# KiCad board GORAT circuit diagramv1.3.kicad_pcb
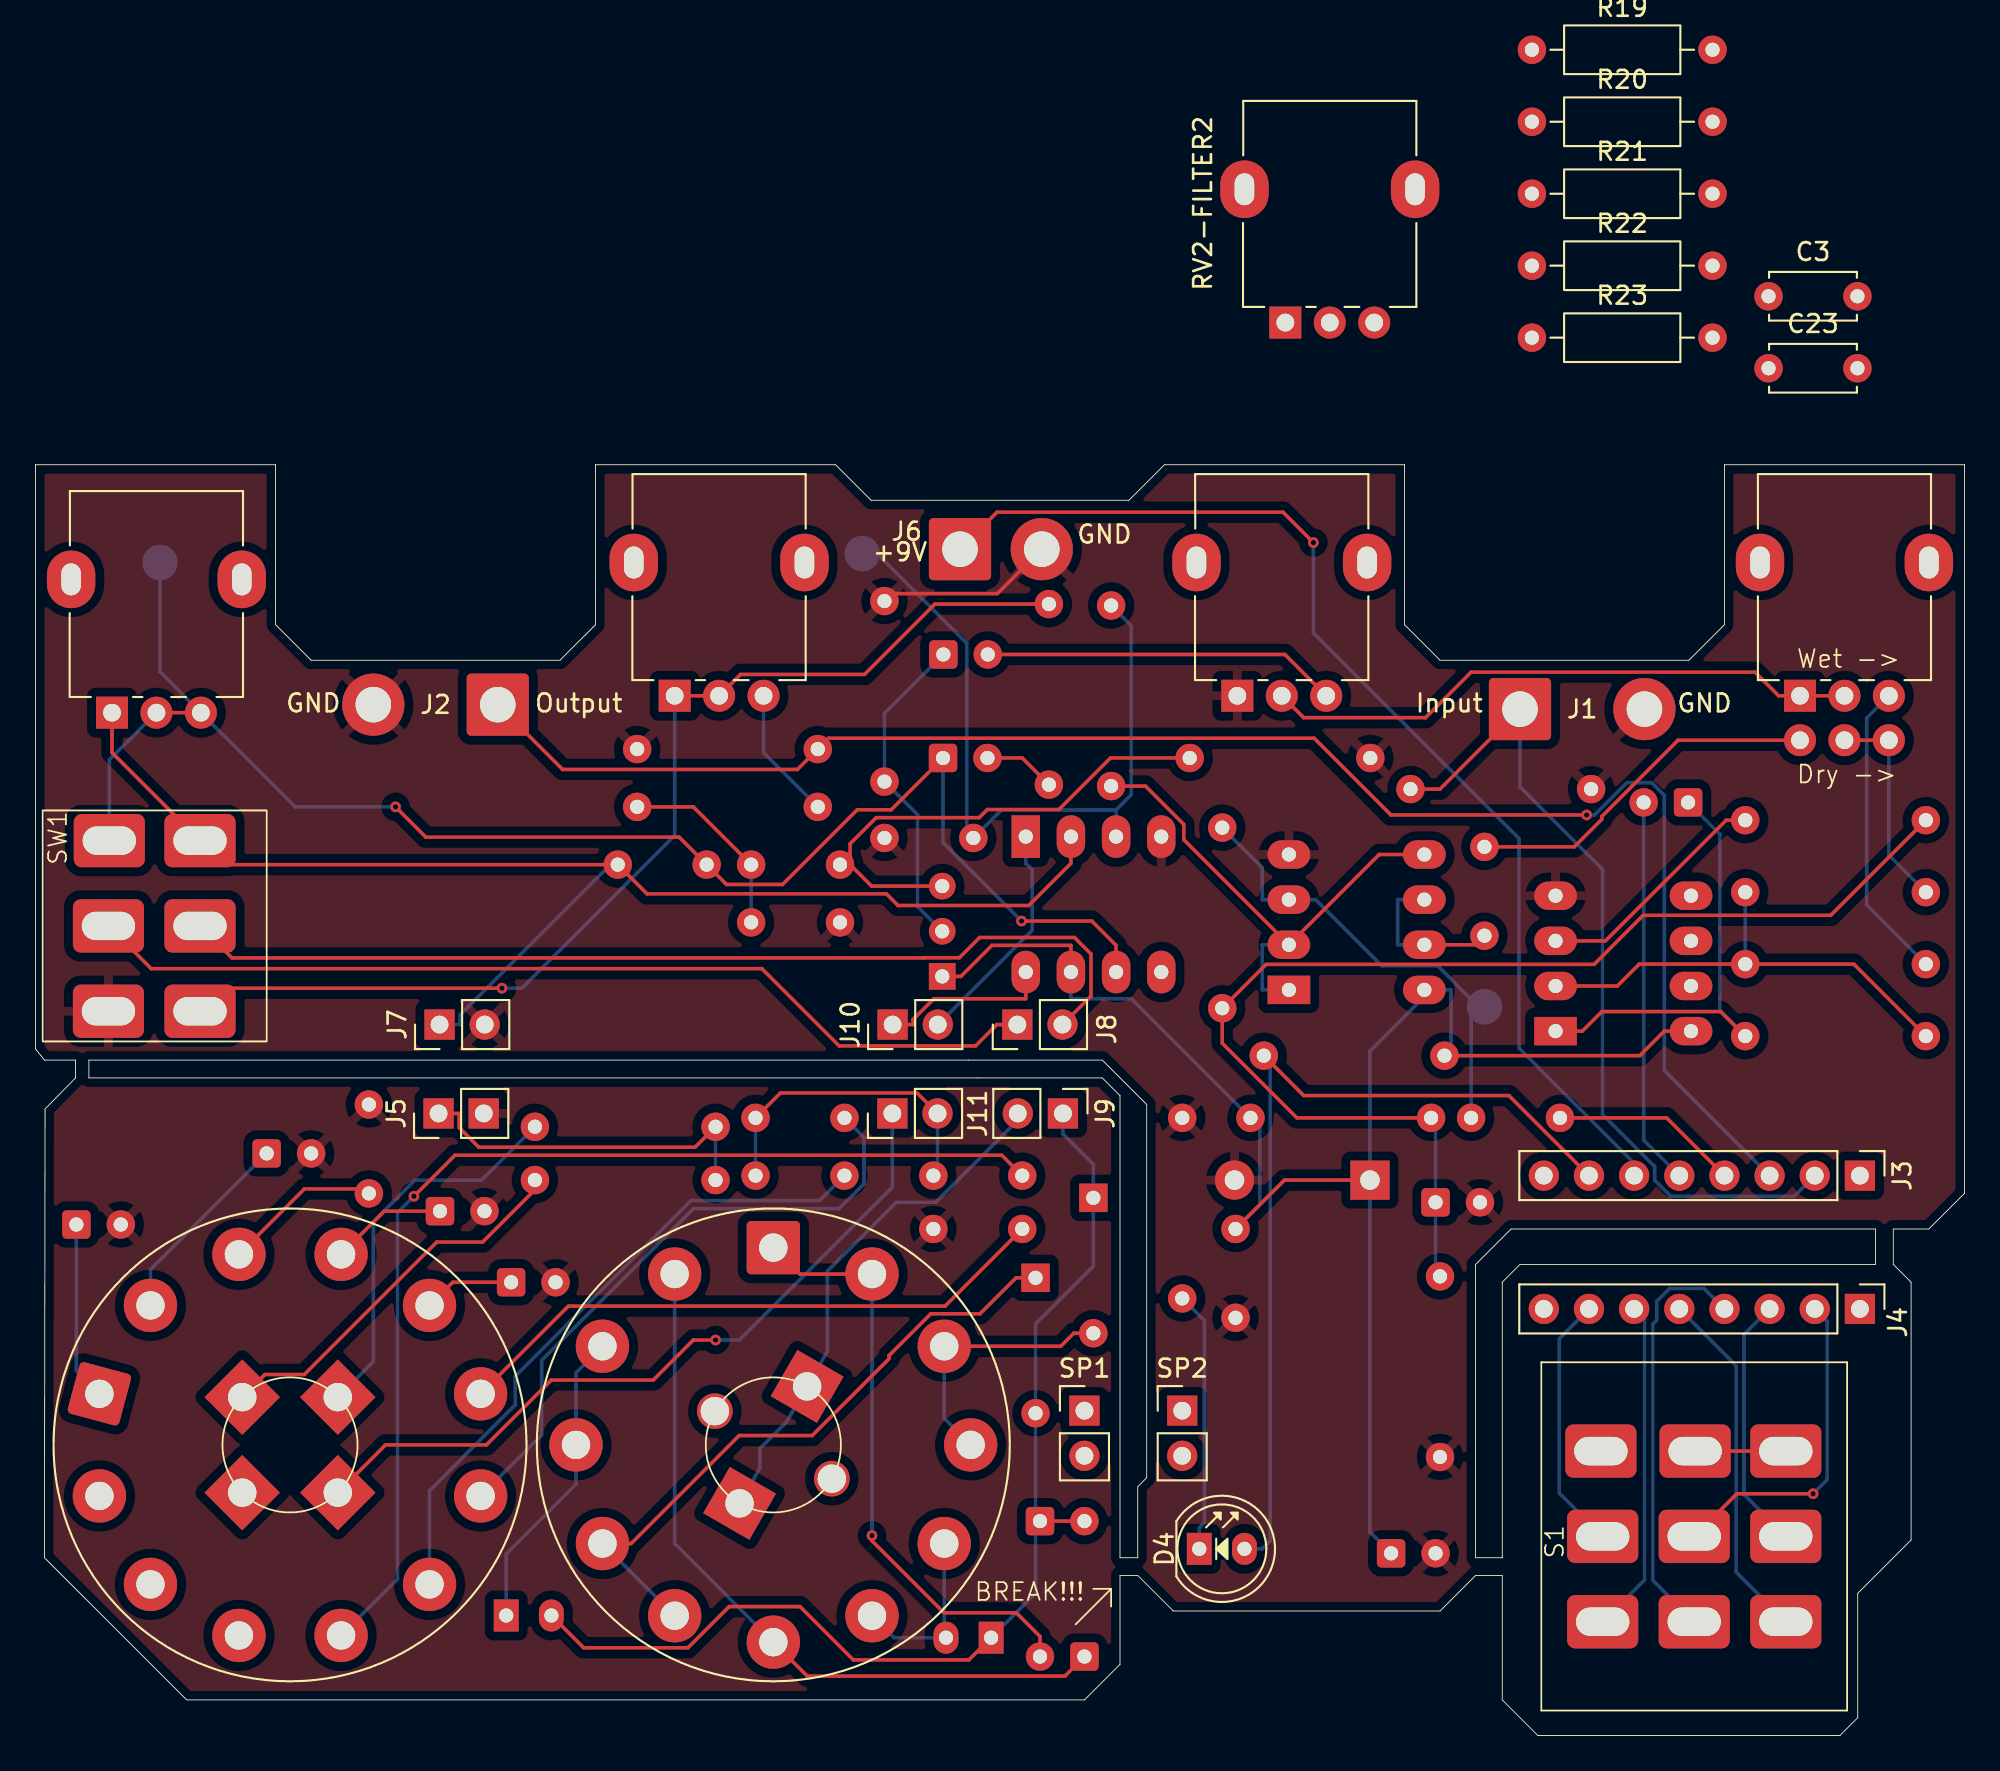
[diagram p0: board, top side]
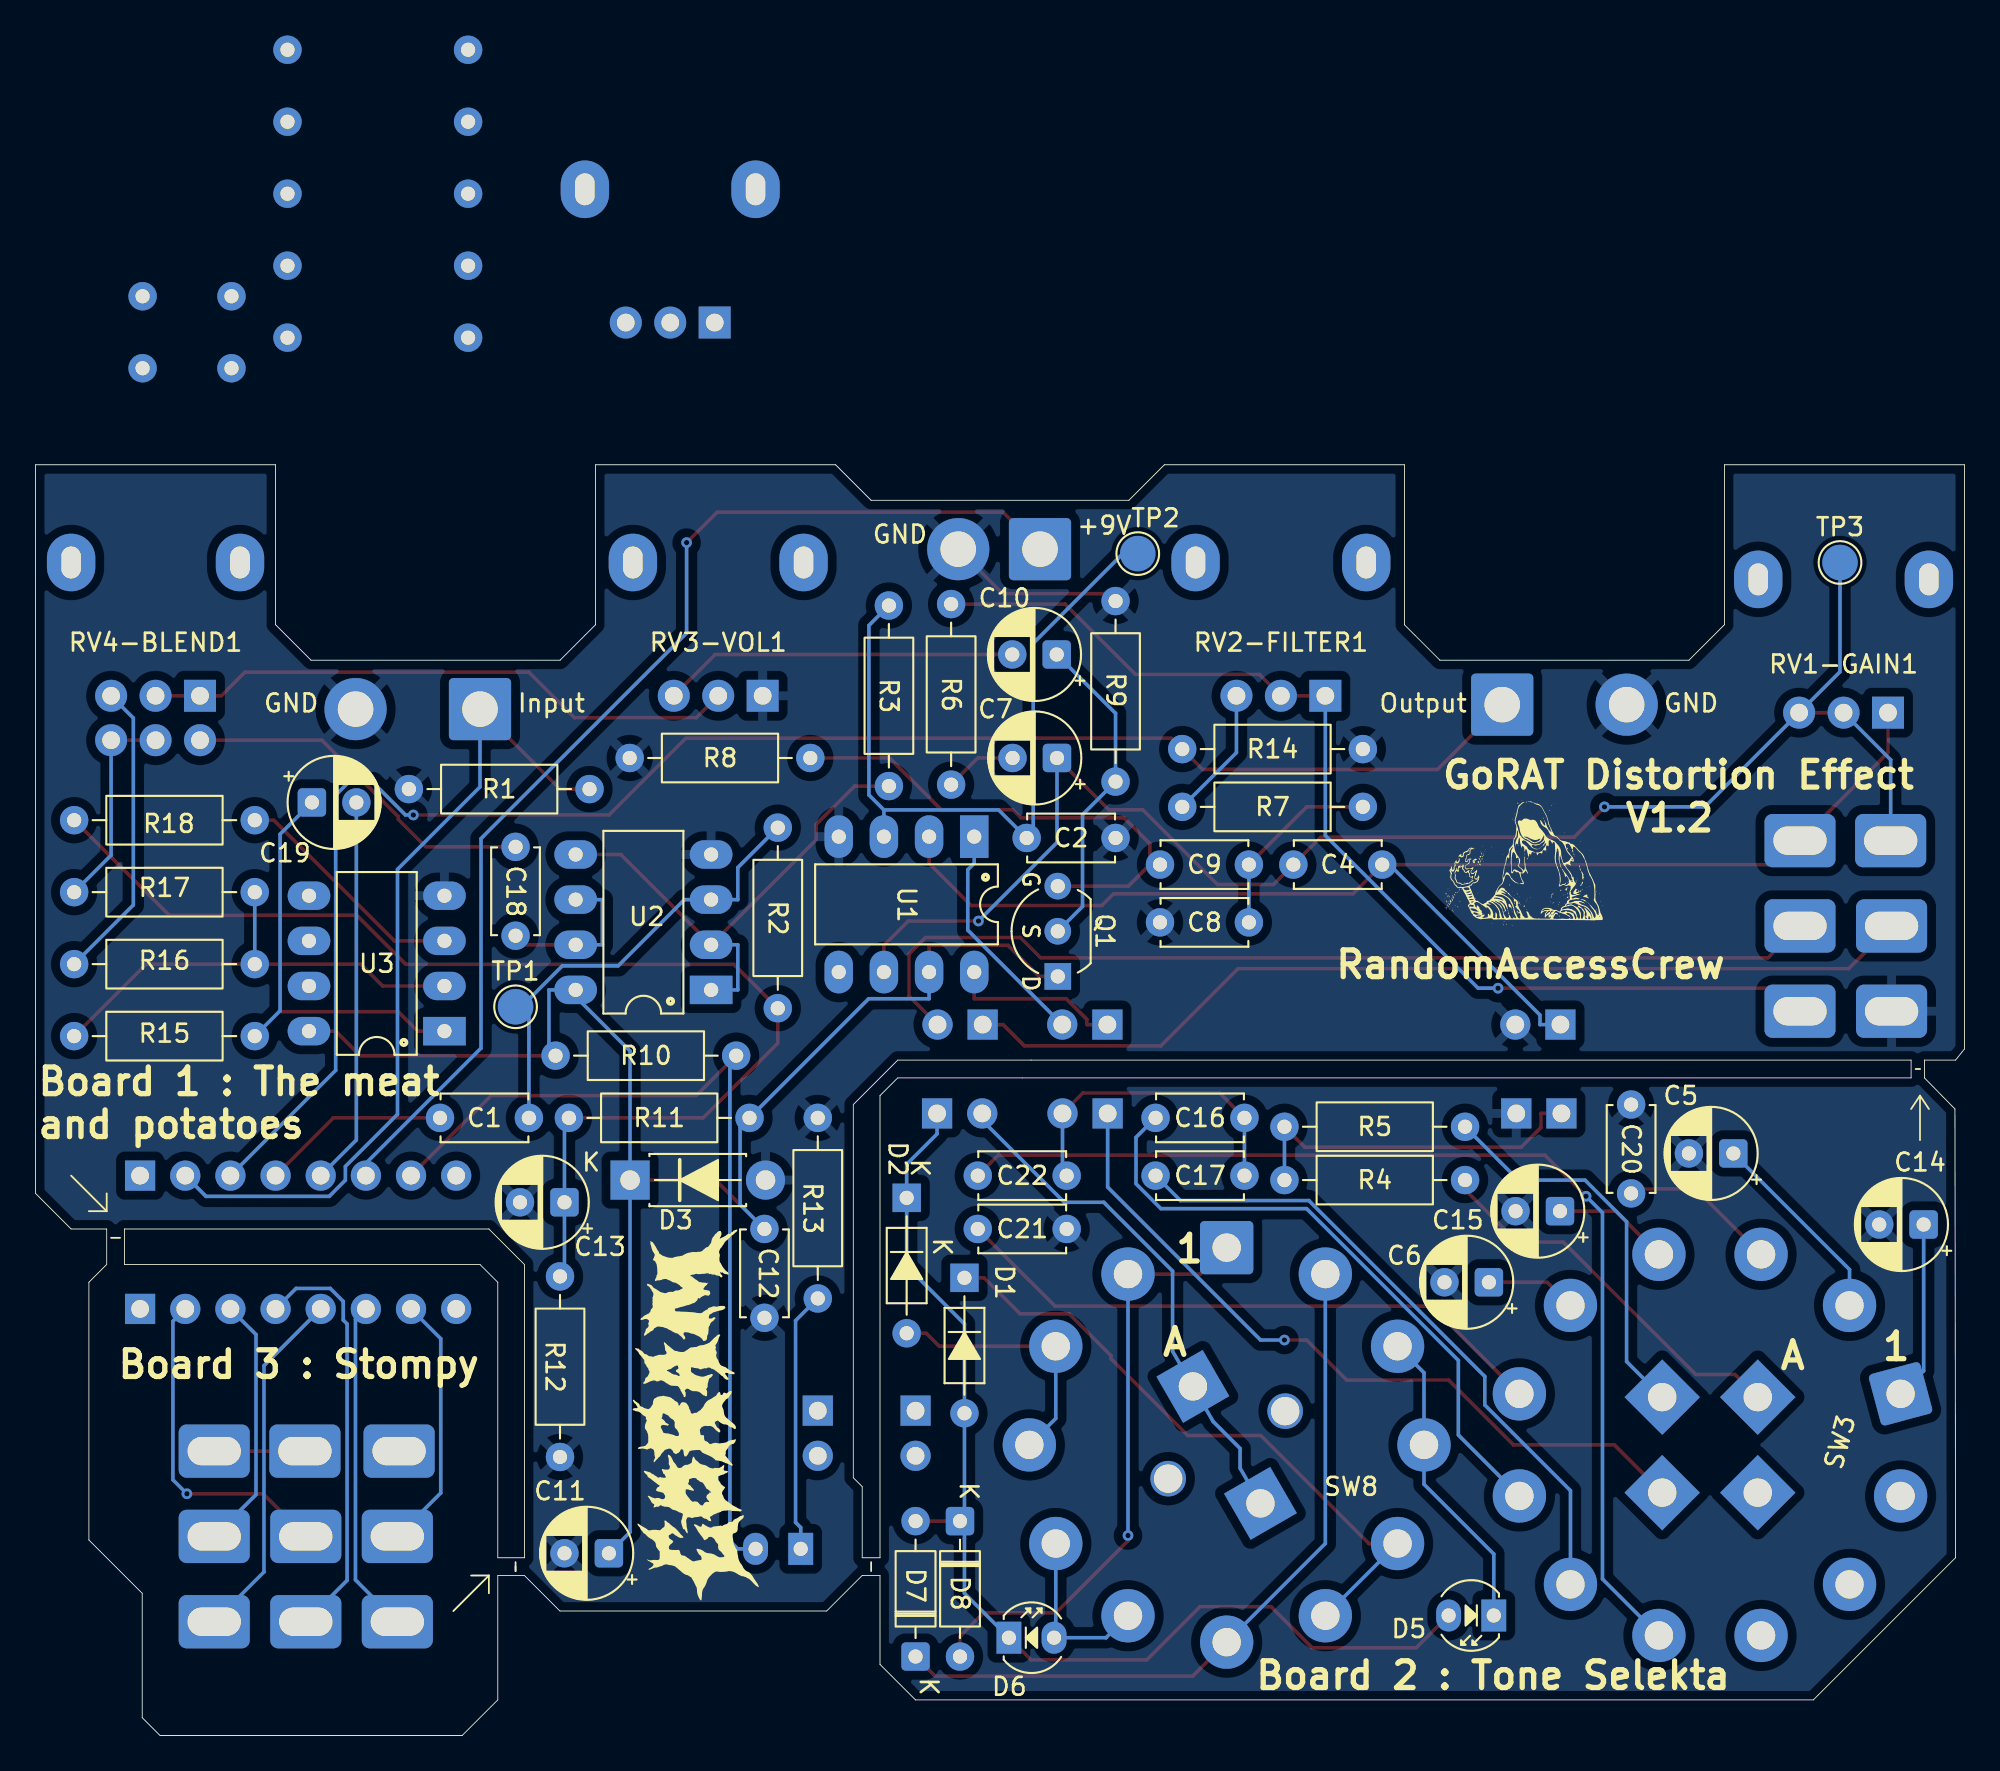
[diagram p1: board, bottom side, seen from below]

Outline 108.5 x 71.5 mm; copper layers: Top, Bottom. Coordinates in mm from the lower left corner of the outline.
Outline path: 0,71.5 0,38.62 0.5,38 2.25,38 2.25,37 0.53,35.25 0.5,10 8.5,2 59,2 61,4 61,9 62,9 64,7 79,7 81,9 82.5,9 82.5,2 84.5,0 101.5,0 102.5,1 102.5,8 105.5,11 105.5,25.5 104.5,26.5 104.5,28.5 106.5,28.5 108.5,30.5 108.5,71.5 95,71.5 95,62.5 93,60.5 79,60.5 77,62.5 77,71.5 63.5,71.5 61.5,69.5 47,69.5 45,71.5 31.5,71.5 31.5,62.5 29.5,60.5 15.5,60.5 13.5,62.5 13.5,71.5 0,71.5 ; 3,38 3,37 60,37 61,36 61,10 62,10 62,14 62.5,14.5 62.5,35.5 60,38 3,38 ; 81,26.5 81,10 82.5,10 82.5,25.5 83.5,26.5 103.5,26.5 103.5,28.5 83,28.5 81,26.5

## Placement (name value [footprint] x y rotation side)
C1  22n  [C_Disc_D4.7mm_W2.5mm_P5.00mm]  85.75 34.75 180 bottom
C2  1n  [C_Disc_D4.7mm_W2.5mm_P5.00mm]  47.75 50.5 0 bottom
C3  22n  [C_Disc_D4.7mm_W2.5mm_P5.00mm]  97.48 80.98 0 top
C4  100p  [C_Disc_D4.7mm_W2.5mm_P5.00mm]  37.75 49 180 bottom
C5  2.2u  [CP_Radial_D5.0mm_P2.50mm]  13 32.75 0 bottom
C6  4.7u  [CP_Radial_D5.0mm_P2.50mm]  26.75 25.5 0 bottom
C7  4.7u  [CP_Radial_D5.0mm_P2.50mm]  51.04 55 0 bottom
C8  3.3n  [C_Disc_D4.7mm_W2.5mm_P5.00mm]  45.25 45.75 180 bottom
C9  22n  [C_Disc_D4.7mm_W2.5mm_P5.00mm]  45.25 49 180 bottom
C10  1u  [CP_Radial_D5.0mm_P2.50mm]  51.06 60.82 0 bottom
C11  100u  [CP_Radial_D5.0mm_P2.50mm]  76.25 10.25 0 bottom
C12  0.1u  [C_Disc_D4.7mm_W2.5mm_P5.00mm]  67.5 23.5 90 bottom
C13  1u  [CP_Radial_D5.0mm_P2.50mm]  78.75 30 0 bottom
C14  10u  [CP_Radial_D5.0mm_P2.50mm]  2.29 28.75 0 bottom
C15  22u  [CP_Radial_D5.0mm_P2.50mm]  22.75 29.5 0 bottom
C16  68p  [C_Disc_D4.7mm_W2.5mm_P5.00mm]  45.5 34.75 180 bottom
C17  47p  [C_Disc_D4.7mm_W2.5mm_P5.00mm]  45.5 31.5 180 bottom
C18  470n  [C_Disc_D4.7mm_W2.5mm_P5.00mm]  81.5 45 90 bottom
C19  1u  [CP_Radial_D5.0mm_P2.50mm]  92.96 52.5 180 bottom
C20  220n  [C_Disc_D4.7mm_W2.5mm_P5.00mm]  18.75 35.5 270 bottom
C21  470n  [C_Disc_D4.7mm_W2.5mm_P5.00mm]  50.5 28.5 0 bottom
C22  33p  [C_Disc_D4.7mm_W2.5mm_P5.00mm]  55.5 31.5 180 bottom
C23  22n  [C_Disc_D4.7mm_W2.5mm_P5.00mm]  97.48 76.93 0 top
D1  1N914  [D_DO-35_SOD27_P7.62mm_Horizontal#2]  56.25 25.75 270 bottom
D2  1N914  [D_DO-35_SOD27_P7.62mm_Horizontal#2]  59.5 30.25 270 bottom
D3  1N4002  [D_DO-41_SOD81_P7.62mm_Horizontal]  75.06 31.25 180 bottom
D4  Red  [LED_D5.0mm]  65.46 10.5 0 top
D5  Red  [LED_D3.0mm]  26.47 6.75 0 bottom
D6  Red  [LED_D3.0mm]  53.75 5.5 180 bottom
D7  BAT41  [D_DO-35_SOD27_P7.62mm_Horizontal]  59 4.44 90 bottom
D8  BAT41  [D_DO-35_SOD27_P7.62mm_Horizontal]  56.5 12.06 270 bottom
J1  AudioJack2  [SolderWire-0.75sqmm_1x02_P7mm_D1.25mm_OD3.5mm]  83.5 57.75 0 top
J2  AudioJack2  [SolderWire-0.75sqmm_1x02_P7mm_D1.25mm_OD3.5mm]  26 58 180 top
J3  Conn_01x08_Socket  [PinHeader_1x08_P2.54mm_Vertical]  102.62 31.5 270 top
J4  Conn_01x08_Socket  [PinHeader_1x08_P2.54mm_Vertical]  102.62 24 270 top
J5  Conn_01x02_Socket  [PinHeader_1x02_P2.54mm_Vertical]  22.67 35 90 top
J6  Barrel_Jack  [SolderWire-0.5sqmm_1x02_P4.6mm_D0.9mm_OD2.1mm]  52 66.75 0 top
J7  Conn_01x02_Socket  [PinHeader_1x02_P2.54mm_Vertical#2]  22.72 40 90 top
J8  Conn_01x02_Socket  [PinHeader_1x02_P2.54mm_Vertical#2]  55.22 40 90 top
J9  Conn_01x02_Socket  [PinHeader_1x02_P2.54mm_Vertical#2]  57.79 35 270 top
J10  Conn_01x02_Socket  [PinHeader_1x02_P2.54mm_Vertical#2]  48.21 40 90 top
J11  Conn_01x02_Socket  [PinHeader_1x02_P2.54mm_Vertical#2]  48.19 35 90 top
Q1  J111  [TO-92_Inline_Wide_DSG]  51 42.71 90 bottom
R1  1M  [R_Axial_DIN0207_L6.3mm_D2.5mm_P10.16mm_Horizontal]  87.5 53.25 180 bottom
R2  1M  [R_Axial_DIN0207_L6.3mm_D2.5mm_P10.16mm_Horizontal]  66.75 51.08 270 bottom
R3  1K  [R_Axial_DIN0207_L6.3mm_D2.5mm_P10.16mm_Horizontal]  60.5 63.58 270 bottom
R4  47  [R_Axial_DIN0207_L6.3mm_D2.5mm_P10.16mm_Horizontal]  38.25 31.25 180 bottom
R5  560  [R_Axial_DIN0207_L6.3mm_D2.5mm_P10.16mm_Horizontal]  38.25 34.25 180 bottom
R6  1K  [R_Axial_DIN0207_L6.3mm_D2.5mm_P10.16mm_Horizontal]  57 63.66 270 bottom
R7  1.5K  [R_Axial_DIN0207_L6.3mm_D2.5mm_P10.16mm_Horizontal]  33.84 52.25 0 bottom
R8  1M  [R_Axial_DIN0207_L6.3mm_D2.5mm_P10.16mm_Horizontal]  64.92 55 0 bottom
R9  10K  [R_Axial_DIN0207_L6.3mm_D2.5mm_P10.16mm_Horizontal]  47.75 53.67 90 bottom
R10  47  [R_Axial_DIN0207_L6.3mm_D2.5mm_P10.16mm_Horizontal]  69.09 38.25 0 bottom
R11  100K  [R_Axial_DIN0207_L6.3mm_D2.5mm_P10.16mm_Horizontal]  78.5 34.75 180 bottom
R12  100K  [R_Axial_DIN0207_L6.3mm_D2.5mm_P10.16mm_Horizontal]  79 15.67 90 bottom
R13  2.2k  [R_Axial_DIN0207_L6.3mm_D2.5mm_P10.16mm_Horizontal]  64.5 24.59 90 bottom
R14  1M  [R_Axial_DIN0207_L6.3mm_D2.5mm_P10.16mm_Horizontal]  33.84 55.5 0 bottom
R15  22k  [R_Axial_DIN0207_L6.3mm_D2.5mm_P10.16mm_Horizontal]  106.33 39.35 180 bottom
R16  22k  [R_Axial_DIN0207_L6.3mm_D2.5mm_P10.16mm_Horizontal]  106.33 43.4 180 bottom
R17  22k  [R_Axial_DIN0207_L6.3mm_D2.5mm_P10.16mm_Horizontal]  106.33 47.45 180 bottom
R18  1M  [R_Axial_DIN0207_L6.3mm_D2.5mm_P10.16mm_Horizontal]  106.33 51.5 180 bottom
R19  1M  [R_Axial_DIN0207_L6.3mm_D2.5mm_P10.16mm_Horizontal]  84.17 94.85 0 top
R20  5.6k  [R_Axial_DIN0207_L6.3mm_D2.5mm_P10.16mm_Horizontal]  84.17 90.8 0 top
R21  27k  [R_Axial_DIN0207_L6.3mm_D2.5mm_P10.16mm_Horizontal]  84.17 86.75 0 top
R22  5.6k  [R_Axial_DIN0207_L6.3mm_D2.5mm_P10.16mm_Horizontal]  84.17 82.7 0 top
R23  1M  [R_Axial_DIN0207_L6.3mm_D2.5mm_P10.16mm_Horizontal]  84.17 78.65 0 top
RV1-GAIN1  100K  [Potentiometer_Alpha_RD901F-40-00D_Single_Vertical]  4.3 57.55 90 top
RV2-FILTER1  100K  [Potentiometer_Alpha_RD901F-40-00D_Single_Vertical]  35.95 58.5 90 top
RV2-FILTER2  100K  [Potentiometer_Alpha_RD901F-40-00D_Single_Vertical]  70.3 79.5 90 top
RV3-VOL1  100K  [Potentiometer_Alpha_RD901F-40-00D_Single_Vertical]  67.6 58.5 90 top
RV4-BLEND1  100K  [Potentiometer_Alpha_RD902F-40-00D_Dual_Vertical]  99.25 58.5 90 top
S1  SWITCH-3PDT  [3PDT_fixed]  93.3 11.2 90 top
SP1  Conn_01x02_Socket  [PinHeader_1x02_P2.54mm_Vertical#2]  59 18.28 0 top
SP2  Conn_01x02_Socket  [PinHeader_1x02_P2.54mm_Vertical#2]  64.5 18.28 0 top
SW1  SW_DPDT_x2  [DPDT_fixed]  6.7 45.55 90 top
SW3  SW_Rotary4x3  [RS26]  14.31 16.35 75 top
SW8  SW_Rotary2x6  [RS26#2]  41.5 16.35 0 top
TP1  Input  [TestPoint_Pad_D2.0mm]  81.5 41 180 bottom
TP2  Pre-gain  [TestPoint_Pad_D2.0mm]  46.5 66.5 180 bottom
TP3  Post-gain  [TestPoint_Pad_D2.0mm]  7 66 180 bottom
U1  OP07CP  [DIP-8_W7.62mm_LongPads]  55.7 50.58 270 bottom
U2  TL072ACP  [DIP-8_W7.62mm_LongPads]  70.5 41.95 0 bottom
U3  TL072ACP  [DIP-8_W7.62mm_LongPads]  85.5 39.63 0 bottom

## Library data of the parts
C1-C4 C8 C9 C12 C16-C18 C20-C23 = -: Description: Unpolarized capacitor; ki_fp_filters: C_*
C5-C7 C10 C11 C13-C15 C19 = -: Description: Polarized capacitor; ki_fp_filters: CP_*
D1 = -: Datasheet: https://datasheet.octopart.com/1N914ATR-ON-Semiconductor-datasheet-42765246.pdf; Description: DO-35 Diode, Small Signal, Fast Switching, 75V, 200mA, 4ns, Alternate KiCad Library; Sim.Device: D; Sim.Pins: 1=K 2=A; Sim.Library: C:\Users\nh22239\Downloads\1N914.lib; ki_fp_filters: TO-???* *_Diode_* *SingleDiode* D_*
D2 = -: Datasheet: https://datasheet.octopart.com/1N914ATR-ON-Semiconductor-datasheet-42765246.pdf; Description: DO-35 Diode, Small Signal, Fast Switching, 75V, 200mA, 4ns, Alternate KiCad Library; Sim.Library: C:\Users\nh22239\Downloads\1N914.lib; Sim.Device: D; Sim.Pins: 1=A 2=K; ki_fp_filters: TO-???* *_Diode_* *SingleDiode* D_*
D3 = -: Datasheet: https://www.tme.eu/Document/5f8ffc5ac30fc86bac97d66040bf5502/1n400x.pdf; Description: DO-41 Diode, Rectifier, 100V, 1A, Alternate KiCad Library; Sim.Library: C:\Users\nh22239\Downloads\1N4002.lib; Sim.Device: D; Sim.Pins: 1=A 2=K; ki_fp_filters: TO-???* *_Diode_* *SingleDiode* D_*
D4-D6 = -: Datasheet: https://cdn.sparkfun.com/assets/e/c/e/c/5/COM-09590-YSL-R531R3D-D2.pdf; Description: Light emitting diode PTH 5mm diameter; PROD_ID: DIO-09529; ki_fp_filters: LED* LED_SMD:* LED_THT:*
D7 D8 = -: Datasheet: http://www.vishay.com/docs/85659/bat41.pdf; Description: 100V 0.1A Small Signal Schottky Diode, DO-35; ki_fp_filters: D*DO?35*
J1 J2 = -: Description: Audio Jack, 2 Poles (Mono / TS); ki_fp_filters: Jack*
J3 J4 = -: Description: Generic connector, single row, 01x08, script generated; ki_fp_filters: Connector*:*_1x??_*
J5 J7-J11 SP1 SP2 = -: Description: Generic connector, single row, 01x02, script generated; ki_fp_filters: Connector*:*_1x??_*
J6 = -: Description: DC Barrel Jack; ki_fp_filters: BarrelJack*
Q1 = -: Datasheet: https://www.tme.eu/Document/2ab8d7a6d6d8a209f9d7deeb52763e9f/J111.pdf; Description: TO-92 N-JFET transistor, 35V, 20mA, 625mW, Alternate KiCAD Library
R1-R23 = -: Description: Resistor; ki_fp_filters: R_*
RV1-GAIN1 RV2-FILTER1 RV2-FILTER2 RV3-VOL1 = -: Description: Potentiometer; ki_fp_filters: Potentiometer*
RV4-BLEND1 = -: Description: Dual potentiometer, separate units; ki_fp_filters: Potentiometer*
S1 = -: ki_fp_filters: *STOMP-SWITCH-3PDT*
SW1 = -: Description: Switch, dual pole double throw, separate symbols; ki_fp_filters: SW*DPDT*
SW3 = -: Datasheet: http://cdn-reichelt.de/documents/datenblatt/C200/DS-Serie%23LOR.pdf; Description: 4 rotary switches with 3 positions
SW8 = -: Datasheet: http://cdn-reichelt.de/documents/datenblatt/C200/DS-Serie%23LOR.pdf; Description: 2 rotary switch with 6 positions
TP1-TP3 = -: Description: test point; ki_fp_filters: Pin* Test*
U1 = -: Datasheet: http://web.mit.edu/6.301/www/LM108.pdf; Description: DIP-8 Superbeta Operational Amplifier, 7nA Input Bias Current, 7.5mV Offset, 30μV/°C Drift, Alternate KiCAD Library; Sim.Device: SUBCKT; Sim.Library: C:\Users\nh22239\Downloads\lm3082.lib; Sim.Name: LM308_SYMBOL; Sim.Pins: 1=6 2=2 3=1 4=4 6=5 7=3 8=7 8=8
U2 U3 = -: Datasheet: https://www.ti.com/lit/ds/symlink/tl072h.pdf?ts=1635057479364; Description: DIP-8 Dual JFET Low Noise Operational Amplifier, 6mV Offset, 8nV/√Hz Noise, 1MHz GBW, Alternate KiCAD Library

## Footprints (pads in the part's own frame, mm; a bottom-side part is the same pattern mirrored in y, then rotated)
3PDT_fixed
  rrect 3x4 hole 1.6x3: P$1(-4.8,-5.15) P$2(0,-5.15) P$3(4.8,-5.15) P$4(-4.8,0) P$5(0,0) P$6(4.8,-0.05) P$7(-4.8,5.15) P$8(0,5.15) P$9(4.8,5.25)
C_Disc_D4.7mm_W2.5mm_P5.00mm
  round 1.6 hole 0.8: 1(0,0) 2(5,0)
CP_Radial_D5.0mm_P2.50mm
  rrect 1.6x1.6 hole 0.8: 1(0,0)
  round 1.6 hole 0.8: 2(2.5,0)
D_DO-35_SOD27_P7.62mm_Horizontal
  rrect 1.6x1.6 hole 0.8: 1(0,0)
  round 1.6 hole 0.8: 2(7.62,0)
D_DO-35_SOD27_P7.62mm_Horizontal#2
  rect 1.6x1.6 hole 0.8: 1(0,0)
  oval 1.6x1.6 hole 0.8: 2(7.62,0)
D_DO-41_SOD81_P7.62mm_Horizontal
  rect 2.2x2.2 hole 1.1: 1(0,0)
  oval 2.2x2.2 hole 1.1: 2(7.62,0)
DIP-8_W7.62mm_LongPads
  rect 2.4x1.6 hole 0.8: 1(0,0)
  oval 2.4x1.6 hole 0.8: 2(0,-2.54) 3(0,-5.08) 4(0,-7.62) 5(7.62,-7.62) 6(7.62,-5.08) 7(7.62,-2.54) 8(7.62,0)
DPDT_fixed
  rrect 3x4 hole 1.6x3: 1(-4.8,-2.55) 2(0,-2.55) 3(4.8,-2.55) 4(-4.8,2.6) 5(0,2.6) 6(4.8,2.55)
LED_D3.0mm
  rect 1.4x1.8 hole 0.8: 1(0,0)
  oval 1.4x1.8 hole 0.8: 2(2.54,0)
LED_D5.0mm
  rect 1.4x1.8 hole 0.8: 1(0,0)
  oval 1.4x1.8 hole 0.8: 2(2.54,0)
PinHeader_1x02_P2.54mm_Vertical
  rect 1.7x1.7 hole 1: 1(0,0) 2(0,-2.54)
PinHeader_1x02_P2.54mm_Vertical#2
  rect 1.7x1.7 hole 1: 1(0,0)
  round 1.7 hole 1: 2(0,-2.54)
PinHeader_1x08_P2.54mm_Vertical
  rect 1.7x1.7 hole 1: 1(0,0)
  round 1.7 hole 1: 2(0,-2.54) 3(0,-5.08) 4(0,-7.62) 5(0,-10.16) 6(0,-12.7) 7(0,-15.24) 8(0,-17.78)
Potentiometer_Alpha_RD901F-40-00D_Single_Vertical
  oval 3.24x2.72 hole 1.8x1.1: (7.5,2.3) (7.5,-7.3)
  rect 1.8x1.8 hole 1: 1(0,0)
  round 1.8 hole 1: 2(0,-2.5) 3(0,-5)
Potentiometer_Alpha_RD902F-40-00D_Dual_Vertical
  oval 3.24x2.72 hole 1.8x1.1: (7.5,2.25) (7.5,-7.25)
  rect 1.8x1.8 hole 1: 1(0,0)
  round 1.8 hole 1: 2(0,-2.5) 3(0,-5) 4(-2.5,0) 5(-2.5,-2.5) 6(-2.5,-5)
R_Axial_DIN0207_L6.3mm_D2.5mm_P10.16mm_Horizontal
  round 1.6 hole 0.8: 1(0,0) 2(10.16,0)
RS26
  rrect 3x3 hole 1.6: 1(0,11.1)
  round 3 hole 1.6: 2(5.55,9.613) 3(9.613,5.55) 4(11.1,0) 5(9.613,-5.55) 6(5.55,-9.613) 7(0,-11.1) 8(-5.55,-9.613) 9(-9.613,-5.55) 10(-11.1,0) 11(-9.613,5.55) 12(-5.55,9.613)
  rect 3x3 hole 1.6 rot 150: A(1.9,3.291) B(3.291,-1.9) C(-1.9,-3.291) D(-3.291,1.9)
RS26#2
  rrect 3x3 hole 1.6: 1(0,11.1)
  round 3 hole 1.6: 2(5.55,9.613) 3(9.613,5.55) 4(11.1,0) 5(9.613,-5.55) 6(5.55,-9.613) 7(0,-11.1) 8(-5.55,-9.613) 9(-9.613,-5.55) 10(-11.1,0) 11(-9.613,5.55) 12(-5.55,9.613)
  rect 3x3 hole 1.6 rot 150: A(1.9,3.291) C(-1.9,-3.291)
  oval 2x2 hole 1.6 rot 150: B(3.291,-1.9) D(-3.291,1.9)
SolderWire-0.5sqmm_1x02_P4.6mm_D0.9mm_OD2.1mm
  rrect 3.5x3.5 hole 2: 1(0,0)
  round 3.5 hole 2: 2(4.6,0)
SolderWire-0.75sqmm_1x02_P7mm_D1.25mm_OD3.5mm
  rrect 3.5x3.5 hole 2: 1(0,0)
  round 3.5 hole 2: 2(7,0)
TestPoint_Pad_D2.0mm
  round 2 smd: 1(0,0)
TO-92_Inline_Wide_DSG
  rect 1.5x1.5 hole 0.8: 1(0,0)
  round 1.5 hole 0.8: 2(2.54,0) 3(5.08,0)

## Nets
+4.5V: C13.1 R2.2 R11.1 R12.2 R18.1 R19.1 R23.2
+9V: C11.1 C12.2 D3.1 Q1.1 R10.2 R11.2 U1.7 U2.8 U3.8
/+9v Jack1: J3.6 J6.1
/+9v Jack2: J4.6 S1.P$7
GND: C2.1 C8.1 C11.2 C12.1 C13.2 D3.2 J1.2 J2.2 J6.2 J7.2 R1.1 R8.2 R9.2 R12.1 R13.2 R14.1 RV3-VOL1.1 SW1.4 U1.4 U2.4 U3.4
GND1: J3.8
GND2: J4.8
GND3: C5.2 C6.2 C14.2 C15.2 C20.1 C21.1 J5.2
Vin1: D4.2 J3.7 R10.1
Vin2: J4.7 S1.P$8
/Bypass: S1.P$3 S1.P$6
/JackIn1: J1.1 J3.2 R1.2
/JackIn2: J4.2 S1.P$5
/JackOut1: J2.1 J3.3 R14.2
/JackOut2: J4.3 S1.P$2
/Off: S1.P$9
Bypass1: J3.1
Bypass2: J4.1
SigIn1: C1.1 J3.4
SigIn2: J4.4 S1.P$4
SigOut1: C19.2 J3.5
SigOut2: J4.5 S1.P$1
SigRAT: RV3-VOL1.2 RV4-BLEND1.1 RV4-BLEND1.2
Net-(C3-Pad2): C3.2 R22.2 RV2-FILTER2.1
Net-(C5-Pad1): C5.1 SW3.2
Net-(C6-Pad1): C6.1 SW3.5
Net-(C7-Pad2): C7.2 R6.2
Net-(C8-Pad2): C8.2 C9.2 R7.1
Net-(C10-Pad2): C10.2 RV3-VOL1.3
Net-(C14-Pad1): C14.1 SW3.1
Net-(C15-Pad1): C15.1 SW3.4
Net-(C16-Pad1): C16.1 SW3.7
Net-(C17-Pad1): C17.1 SW3.8
Net-(C18-Pad2): C18.2 RV4-BLEND1.4
Net-(C19-Pad1): C19.1 R15.2 U3.1
Net-(C20-Pad2): C20.2 SW3.3
Net-(C21-Pad2): C21.2 SW3.6
Net-(C22-Pad1): C22.1 SW3.9
Net-(C23-Pad1): C3.1 C23.1 R21.2 RV2-FILTER2.2
Net-(C23-Pad2): C23.2 R20.1 RV2-FILTER2.3
Net-(D1-A): D1.2 D2.1 D5.2 D6.1 D7.2 D8.1 J9.1
Net-(D1-K): D1.1 SW8.8 SW8.9
Net-(D2-A): D2.2 SW8.3 SW8.4
Net-(D4-K): D4.1 R13.1
Net-(D5-K): D5.1 SW8.10 SW8.11
Net-(D6-A): D6.2 SW8.5 SW8.6
Net-(D7-K): D7.1 SW8.7 SW8.12
Net-(D8-A): D8.2 SW8.1 SW8.2
Net-(J5-Pin_1): J5.1 R4.1 R5.1
Net-(J7-Pin_1): C4.2 J7.1 RV1-GAIN1.1 SW1.3 U1.2
Net-(J8-Pin_1): J8.1 SW1.5
Net-(J8-Pin_2): J8.2 SW1.2
Net-(J9-Pin_2): J9.2 SW8.A SW8.C
Net-(J10-Pin_1): J10.1 U1.8
Net-(J10-Pin_2): J10.2 U1.1
Net-(J11-Pin_1): J11.1 SW3.C
Net-(J11-Pin_2): C16.2 C17.2 C22.2 J11.2
Net-(Q1-G): C9.1 Q1.3 R8.1
Net-(Q1-S): C10.1 Q1.2 R9.1
Net-(R4-Pad2): R4.2 SW3.A
Net-(R5-Pad2): R5.2 SW3.B
Net-(R7-Pad2): R7.2 RV2-FILTER1.3
Net-(R16-Pad1): R16.1 RV4-BLEND1.3
Net-(R17-Pad1): R17.1 RV4-BLEND1.5 RV4-BLEND1.6
Net-(R20-Pad2): R20.2 U3.7
Net-(R22-Pad1): R22.1 R23.1
Net-(SW1A-A): R6.1 RV2-FILTER1.1 RV2-FILTER1.2 SW1.1
Net-(SW1B-C): C4.1 C7.1 RV1-GAIN1.2 RV1-GAIN1.3 SW1.6 TP3.1 U1.6
Net-(U1-+): C2.2 R3.1 TP2.1 U1.3
Net-(U2A-+): C1.2 R2.1 TP1.1 U2.3
Net-(U2A--): R3.2 U2.1 U2.2 U2.5
Net-(U2B--): C18.1 U2.6 U2.7
Net-(U3A-+): R18.2 U3.3
Net-(U3A--): R15.1 R16.2 R17.2 U3.2
Net-(U3B-+): R19.2 U3.5
Net-(U3B--): R21.1 U3.6

Pads without a net: SP1 1 2; SP2 1 2; SW3 10 11 12 D; SW8 B D; U1 5

## Via types
v1: diameter 0.6, hole 0.3, Top to Bottom, 9 vias

## Routing (per net, layer and track width the routed paths; a pad name or vN(x,y) marks a point on that pad's centre or on a via; arc(x,y) is an arc through that point)
+4.5V: length 68.5
  Top w0.2: R18.1 100.98,46.15 90.43,46.15 87.67,43.39 69.22,43.39 R2.2 66.75,38.95 70.95,34.75 R11.1
  Bottom w0.2: R11.1 78.75,34.5 C13.1 78.75,26.08 R12.2
+9V: length 93
  Top w0.2: Q1.1 52.05,42.71 53.8,44.46 58.24,44.46 U1.7 ; D3.1 70.25,31.25 C12.2 ; R10.2 90.24,38.25 91.62,39.63 U3.8
  Bottom w0.2: R10.2 79.62,38.62 79.62,41.95 78.5,41.95 ; U1.7 58.24,41.45 61.64,41.45 R11.2 68.87,34.22 68.87,29.87 C12.2 ; 78.5,41.95 75.06,38.51 D3.1 75.06,11.44 C11.1 ; 78.5,41.95 U2.8
/+9v Jack1: length 64.5
  Top w0.2: v1(71.88,67.12) 70.17,68.83 54.08,68.83 J6.1
  Bottom w0.2: v1(71.88,67.12) 71.88,62.03 83.44,50.46 83.44,38.67 89.92,32.19 J3.6
/+9v Jack2: length 18.8
  Bottom w0.2: S1.P$7 90.5,8.75 90.5,23.42 J4.6
GND: length 10.1
  Top w0.2: R9.2 48.17,64.25 54.1,64.25 J6.2
Vin1: length 50.2
  Top w0.2: J3.7 82.87,36.01 71.33,36.01 R10.1
  Bottom w0.2: D4.2 69,10.5 69.45,10.95 69.45,37.89 R10.1
Vin2: length 14.5
  Bottom w0.2: J4.7 85.71,22.33 85.71,13.64 S1.P$8
/Bypass: length 5.1
  Top w0.2: S1.P$3 S1.P$6
/JackIn1: length 47.5
  Top w0.2: J1.1 79,53.25 R1.2
  Bottom w0.2: J3.2 98.91,30.33 91.98,30.33 91.07,31.24 91.07,32.02 88.14,34.95 88.14,48.73 83.5,53.37 J1.1
/JackIn2: length 18.7
  Top w0.2: v1(99.99,13.6) 95.7,13.6 S1.P$5
  Bottom w0.2: v1(99.99,13.6) 100.77,14.39 100.77,23.31 J4.2
/JackOut1: length 94.6
  Top w0.2: v1(87.25,51.79) 76.24,51.79 71.92,56.11 44.61,56.11 R14.2 42.85,54.35 29.65,54.35 J2.1
  Bottom w0.2: v1(87.25,51.79) 87.69,51.79 89.51,53.61 90.91,53.61 91.62,52.91 91.62,37.42 J3.3
/JackOut2: length 14.4
  Bottom w0.2: S1.P$2 96.1,13.55 96.1,22.56 J4.3
SigIn1: length 10.6
  Top w0.2: J3.4 91.75,34.75 C1.1
SigIn2: length 23.7
  Bottom w0.2: J4.4 93.85,25.15 91.92,25.15 91.19,24.42 91.19,23.37 90.98,23.16 90.98,8.72 S1.P$4
SigOut1: length 21.8
  Bottom w0.2: J3.5 90.46,33.5 C19.2
SigOut2: length 20.1
  Bottom w0.2: J4.5 95.65,20.81 95.65,9.2 S1.P$1
SigRAT: length 33.8
  Top w0.2: RV3-VOL1.2 71.33,57.27 78.19,57.27 80.75,59.83 96.72,59.83 98.05,58.5 RV4-BLEND1.1 RV4-BLEND1.2
Net-(C5-Pad1): length 11.3
  Bottom w0.2: C5.1 6.46,26.21 SW3.2
Net-(C6-Pad1): length 5.1
  Top w0.2: C6.1 23.46,25.5 SW3.5
Net-(C7-Pad2): length 4.1
  Top w0.2: R6.2 55.5,55 C7.2
Net-(C8-Pad2): length 11
  Top w0.2: R7.1 37,52.25 C9.2
  Bottom w0.2: C9.2 C8.2
Net-(C10-Pad2): length 20
  Top w0.2: C10.2 70.28,60.82 RV3-VOL1.3
Net-(C14-Pad1): length 10.1
  Bottom w0.2: SW3.1 2.29,20.52 C14.1
Net-(C15-Pad1): length 6.6
  Top w0.2: SW3.4 19.62,29.5 C15.1
Net-(C16-Pad1): length 35.5
  Bottom w0.2: C16.1 46.6,33.65 46.6,31.04 45.2,29.64 37,29.64 28.47,21.1 28.47,16.91 SW3.7
Net-(C17-Pad1): length 36.9
  Bottom w0.2: SW3.8 22.16,13.78 26.98,18.6 26.98,20.2 36.88,30.1 44.1,30.1 C17.1
Net-(C18-Pad2): length 20.3
  Top w0.2: RV4-BLEND1.4 92.39,56 88.1,51.7 88.1,51.54 86.55,50 C18.2
Net-(C19-Pad1): length 26.2
  Top w0.2: R15.2 94.79,40.73 88.1,40.73 87,39.63 U3.1
  Bottom w0.2: C19.1 94.75,50.71 94.75,40.77 R15.2
Net-(C20-Pad2): length 8.8
  Top w0.2: SW3.3 15.12,30.75 18.75,30.75
Net-(C21-Pad2): length 34.3
  Top w0.2: C21.2 51.16,24.16 29.97,24.16 SW3.6
Net-(C22-Pad1): length 62.1
  Top w0.2: C22.1 54.35,32.65 23.59,32.65 v1(21.28,30.34)
  Bottom w0.2: v1(21.28,30.34) 20.36,29.42 20.36,8.8 SW3.9
Net-(D1-A): length 63.3
  Top w0.2: D6.1 52.5,4.25 46,4.25 43,7.25 39.01,7.25 36.7,4.94 30.83,4.94 D5.2 ; D7.2 D8.1
  Bottom w0.2: D6.1 56.25,8 D1.2 56.25,23.16 59.5,26.41 D2.1 59.5,32.14 57.79,33.85 J9.1
Net-(D1-K): length 36.4
  Top w0.2: SW8.9 33.5,10.8 39.58,16.88 43.69,16.88 48.01,21.2 48.01,21.38 50.36,23.73 53.13,23.73 55.15,25.75 D1.1
  Bottom w0.2: SW8.9 SW8.8
Net-(D2-A): length 14.9
  Top w0.2: D2.2 58.4,22.63 57.67,21.9 SW8.3
  Bottom w0.2: SW8.3 51.11,17.84 SW8.4
Net-(D4-K): length 14.7
  Bottom w0.2: D4.1 65.46,11.7 65.75,11.99 65.75,23.34 R13.1
Net-(D5-K): length 17.4
  Bottom w0.2: D5.1 26.47,10.21 30.4,14.13 SW8.10 30.4,20.41 SW8.11
Net-(D6-A): length 10
  Bottom w0.2: SW8.6 48.29,5.5 D6.2 51.11,5.6 SW8.5
Net-(D7-K): length 41.8
  Top w0.2: SW8.7 43.41,3.34 57.9,3.34 D7.1
  Bottom w0.2: SW8.7 35.95,10.8 SW8.12
Net-(D8-A): length 34
  Top w0.2: v1(47.05,11.25) 47.05,10.95 51.1,6.9 55.17,6.9 56.5,5.57 D8.2 ; SW8.2 42.99,25.96 SW8.1
  Bottom w0.2: v1(47.05,11.25) SW8.2
Net-(J5-Pin_1): length 20.3
  Top w0.2: R5.1 37.1,33.1 24.93,33.1 23.82,34.21 23.82,35 J5.1
  Bottom w0.2: R5.1 R4.1
Net-(J7-Pin_1): length 78
  Top w0.2: U1.2 58.24,49.07 55.87,46.7 48.51,46.7 47.86,47.36 34.39,47.36 C4.2 10.6,49 SW1.3 4.3,55.3 RV1-GAIN1.1
  Bottom w0.2: 8.05,51.55 SW1.3 ; J7.1 23.88,40 23.88,40.54 32.34,49 C4.2
Net-(J8-Pin_1): length 54.4
  Top w0.2: J8.1 54.07,40 52.87,38.8 45.2,38.8 40.85,43.15 6.5,43.15 SW1.5
Net-(J8-Pin_2): length 56.4
  Top w0.2: J8.2 59.37,41.6 59.37,43.97 58.44,44.9 53.1,44.9 51.97,43.76 49.95,43.76 49.95,43.75 11.05,43.75 SW1.2
Net-(J9-Pin_2): length 29.2
  Bottom w0.2: SW8.C 40.74,15.04 40.74,16.15 42.26,17.66 SW8.A 44.54,21.62 44.54,26.13 48.41,30 50.63,30 55.25,34.62 J9.2
Net-(J10-Pin_1): length 9.8
  Top w0.2: J10.1 49.36,40 49.36,40.29 50.53,41.45 55.7,41.45 U1.8
Net-(J10-Pin_2): length 12.9
  Bottom w0.2: J10.2 56.06,45.31 56.06,48.71 55.7,49.07 U1.1
Net-(J11-Pin_1): length 42.5
  Top w0.2: SW3.C 19.69,16.35 25.36,16.35 29.01,20 34.75,20 37,22.25 v1(38.25,22.25)
  Bottom w0.2: v1(38.25,22.25) 39.59,22.25 48.19,30.85 J11.1
Net-(J11-Pin_2): length 18.1
  Top w0.2: 50.74,35 49.58,36.15 41.9,36.15 C16.2
  Bottom w0.2: C22.2 50.74,31.73 50.74,35 ; C16.2 C17.2
Net-(Q1-G): length 28.5
  Top w0.2: 45.82,49 47.03,47.79 Q1.3 ; 45.82,49 45.82,50.18 47.28,51.64 53.08,51.64 53.54,52.1 57.56,52.1 60.46,55 R8.1 ; 45.82,49 C9.1
Net-(Q1-S): length 18.3
  Bottom w0.2: Q1.2 49.61,46.64 49.61,51.81 R9.1 47.75,57.51 C10.1
Net-(R4-Pad2): length 21.8
  Top w0.2: SW3.A 12.9,20.31 15.12,20.31 22.57,27.76 25.15,27.76 28.09,30.7 R4.2
Net-(R5-Pad2): length 22
  Bottom w0.2: SW3.B 19,21.04 19,28.91 21.34,31.25 25.09,31.25 R5.2
Net-(R7-Pad2): length 7.5
  Bottom w0.2: RV2-FILTER1.3 40.95,55.3 R7.2
Net-(R16-Pad1): length 17
  Bottom w0.2: R16.1 103,46.73 103,57.25 RV4-BLEND1.3
Net-(R17-Pad1): length 11.9
  Top w0.2: RV4-BLEND1.6 RV4-BLEND1.5
  Bottom w0.2: R17.1 104.25,49.53 RV4-BLEND1.6
Net-(SW1A-A): length 61.8
  Top w0.2: SW1.1 10.55,42.05 v1(26.24,42.05) ; R6.1 50.58,63.66 46.63,59.7 39.65,59.7 RV2-FILTER1.2 RV2-FILTER1.1
  Bottom w0.2: RV2-FILTER1.1 35.95,50.64 27.36,42.05 v1(26.24,42.05)
Net-(SW1B-C): length 87.3
  Top w0.2: U1.6 60.78,44.46 59.41,45.83 v1(55.46,45.83) ; v1(20.25,52.25) 21.95,50.55 36.2,50.55 C4.1 38.87,47.88 42.02,47.88 46.22,52.08 48.13,52.08 C7.1 ; RV1-GAIN1.3 RV1-GAIN1.2
  Bottom w0.2: TP3.1 7,59.85 RV1-GAIN1.3 14.6,52.25 v1(20.25,52.25) ; v1(55.46,45.83) 51.04,50.24 C7.1 ; SW1.6 4.15,54.9 RV1-GAIN1.2
Net-(U1-+): length 41.6
  Bottom w0.2: R3.1 61.62,62.46 61.62,52.92 60.78,52.08 ; 60.78,52.08 54.33,52.08 C2.2 52.38,50.87 52.38,61.45 47.33,66.5 TP2.1 ; 60.78,52.08 U1.3
Net-(U2A-+): length 26.5
  Bottom w0.2: 80.75,41 TP1.1 ; 80.75,41 C1.2 ; 80.75,41 80.75,41.42 78.86,43.31 75.73,43.31 72,47.03 U2.3 69,47.03 69,48.83 R2.1
Net-(U2A--): length 29.5
  Top w0.2: U2.5 75.58,49.57 U2.2 64.59,50.4 64.59,51.26 62.43,53.42 R3.2
  Bottom w0.2: U2.2 69,44.49 69,41.95 U2.1
Net-(U2B--): length 9.1
  Top w0.2: U2.7 80.99,44.49 C18.1
  Bottom w0.2: U2.6 76.62,47.03 76.62,44.49 U2.7
Net-(U3A-+): length 13.5
  Top w0.2: U3.3 88.31,44.71 95.1,51.5 R18.2
Net-(U3A--): length 27.1
  Top w0.2: U3.2 88.98,42.17 90.21,43.4 R16.2 102.28,43.4 R15.1
  Bottom w0.2: R16.2 R17.2

## Copper pours and planes (outline as drawn; the poured copper is in the pictures)
GND on Top, Bottom: -1.5,73 -1.5,37.5 46.25,37.5 60.25,37.25 61,36.5 62,6.5 80.5,6.5 81,9.5 81,26.5 84,27.5 112.5,28.5 111.5,73.5
GND3 on Top, Bottom: -1.5,37.25 46.25,37.5 60.25,37.25 61,36.5 61,1.5 7,1.5 -1.5,10.5

## Text on the board
B.Silkscreen: GND | Output | +9V | Input | 1 | A | GoRAT Distortion Effect / V1.2 | RandomAccessCrew | Board 2 : Tone Selekta | Board 3 : Stompy | Board 1 : The meat / and potatoes
F.Silkscreen: BREAK!!! | Wet -> | Dry -> | GND | Output | +9V | Input
